# Altium PCB PCB.PcbDoc (continued)
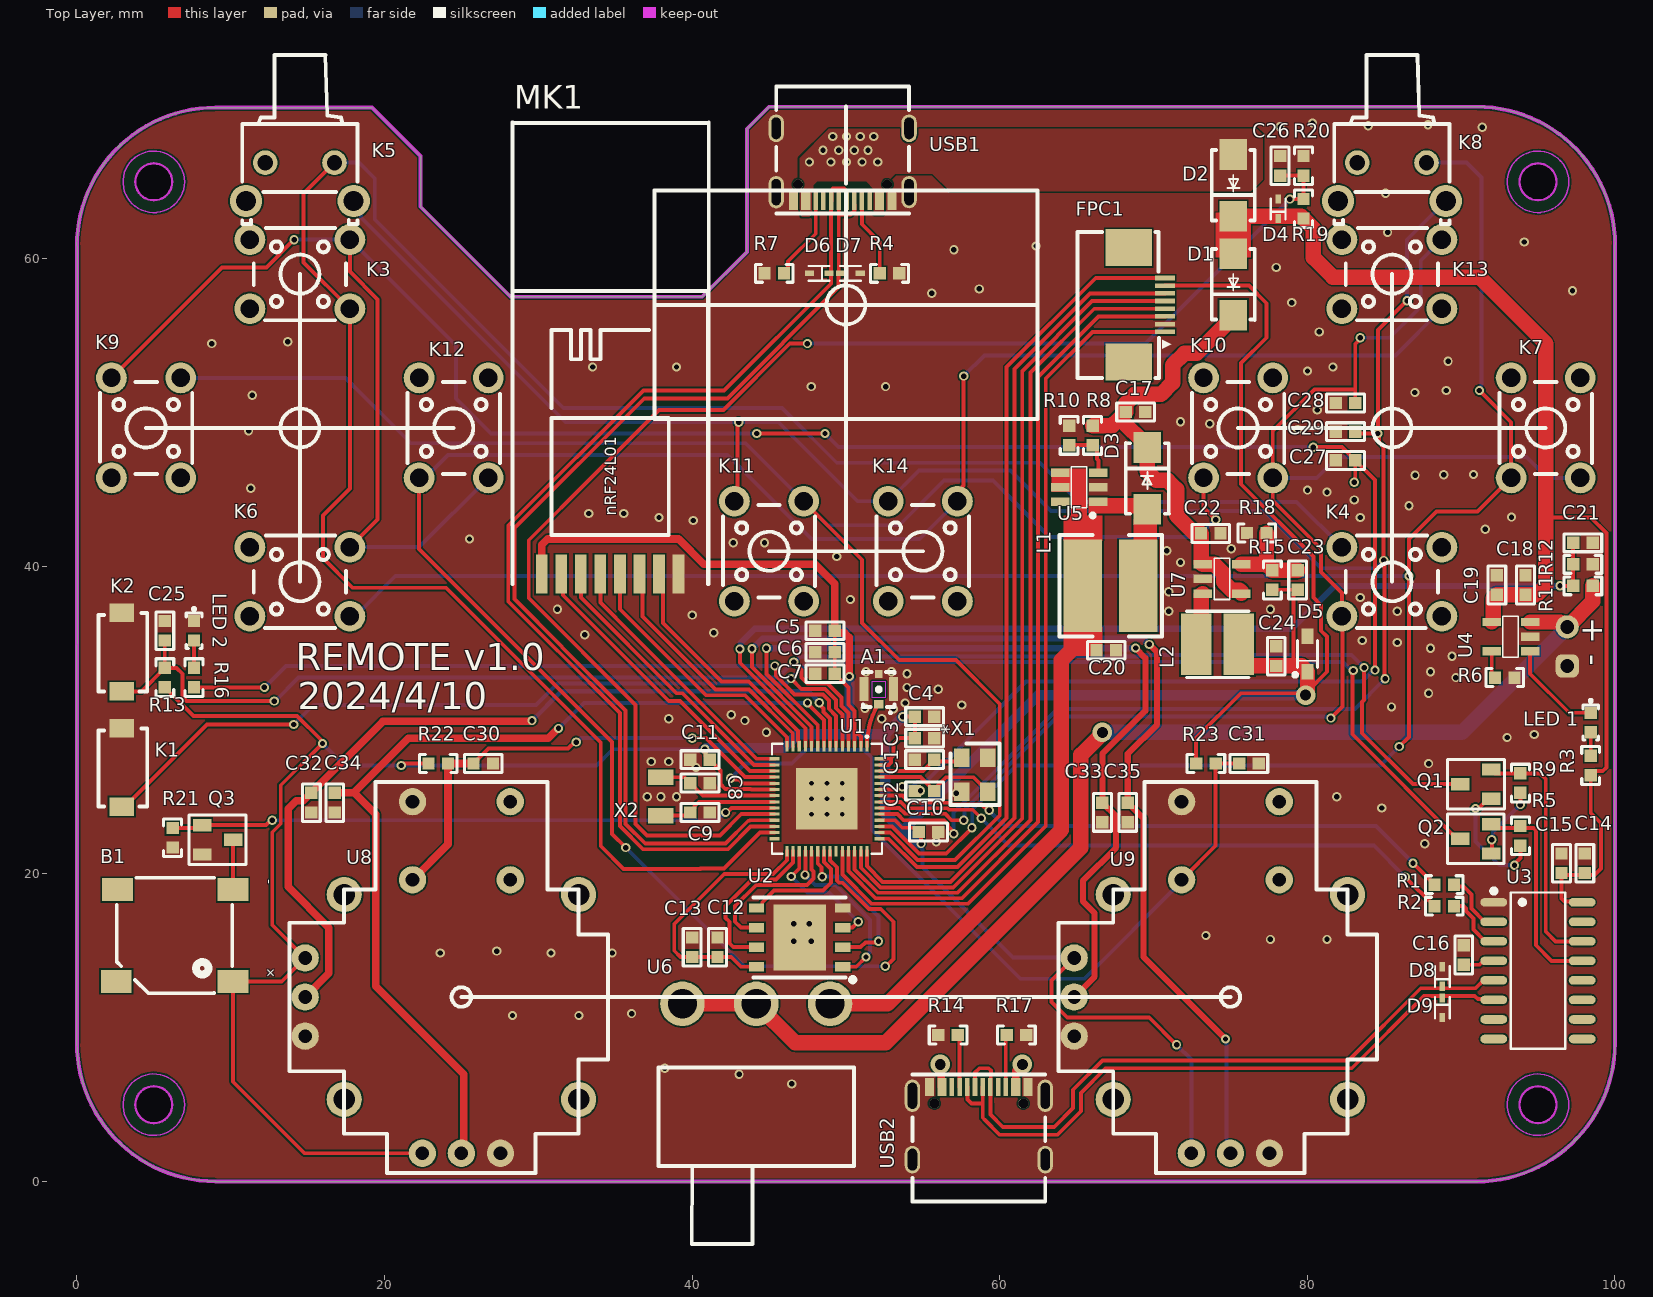
[diagram p0: Top Layer view]
## Part data
A1: "贴片封装的天线 封装类型为IPEX"
B1: "2700Hz", Manufacturer=INGHAi(赢海), Manufacturer Part=GSC7525RA-16R2700, Contributor=LCSC, nameAlias=Value, spicePre=B, spiceSymbolName=GSC7525RA-16R2700, Supplier=LCSC, Supplier Part=C255313
C1 C2 C3 C4 C5 C6 C7 C8 C9 C10 C11 C12 C13 C14 C15 C16 C18 C19 C20 C21 C22 C23 C24 C25 C26 C27 C28 C29 C30 C31 C32 C33 C34 C35: library part "Cap Chip 0603", "0603封装的电容", Published=8-Jun-2000, Publisher="Altium Limited", Revision="July-2002: Re-released for DXP Platform."
C17: library part "Chip capacitor", "贴片电容"
D1 D2: "肖特基二极管"
D3: "大电流肖特基二极管，5A/40V"
D4 D6 D7 D8 D9: "SOD-523 ESD防静电二极管保护芯片", JLCPCB Part Class="Extended Part", Manufacturer=MDD, Manufacturer Part=SMAJ6.5CA, spicePre=D, spiceSymbolName=SMAJ6.5CA-C110041, Supplier=LCSC, Supplier Part=C110041
D5: "SOD-323 3.3V 双向ESD防静电二极管保护芯片", JLCPCB Part Class="Extended Part", Manufacturer=MDD, Manufacturer Part=SMAJ6.5CA, spicePre=D, spiceSymbolName=SMAJ6.5CA-C110041, Supplier=LCSC, Supplier Part=C110041
FPC1: JLCPCB Part Class="Extended Part", Manufacturer=TXGA(特思嘉), Manufacturer Part=FFC05001-08SBB124W5M-H, Contributor=LCSC, spicePre=F, spiceSymbolName=FFC05001-08SBB124W5M-H, Supplier=LCSC, Supplier Part=C456420
K1 K2: "轻触开关按键"
K3 K4 K6 K7 K9 K10 K11 K12 K13 K14: "轻触开关"
K5 K8: "卧式轻触开关"
L1: library part Inductor-6045, "6045封装 线绕SMD功率电感"
L2: library part Inductor-4018, "贴片电感 1206封装"
MK1: "工业级GT-24数传无线模块 2.4G NRF24L01&PA+LNA", JLCPCB Part Class="Extended Part", Manufacturer=Ashining(泽耀科技), Manufacturer Part=AS01-ML01S, spicePre=M, spiceSymbolName=AS01-ML01S, Supplier=LCSC, Supplier Part=C84802
P1: "Header, 2-Pin", LatestRevisionDate=17-Jul-2002, LatestRevisionNote="Re-released for DXP Platform.", Publisher="Altium Limited"
Q1 Q2: Manufacturer=SALLTECH(萨瑞), Contributor=lcsc, Manufacturer Part=S8050, spicePre=Q, spiceSymbolName=S8050_C3027096, Supplier=LCSC, Supplier Part=C3027096
Q3: "N沟道  / 漏源电压(Vdss) 20V  / 连续漏极电流(Id) 2.8A  / 功率(Pd) 900mW  / 导通电阻(RDS(on)@Vgs,Id) 55mΩ@4.5V,2.8A  / 阈值电压(Vgs(th)@Id) 1.2V@250uA  / 输入电容(Ciss@Vds) 260pF@10V", JLCPCB Part Class="Extended Part", Manufacturer=TWGMC(台湾迪嘉), Manufacturer Part=SI2306, Contributor=LCSC, spicePre=Q, spiceSymbolName=SI2306_C727154, Supplier=LCSC, Supplier Part=C727154
R1 R2 R3 R4 R5 R6 R7 R9 R11 R12 R13 R14 R15 R16 R17 R18 R19 R20 R22 R23: library part "Resistor Chip 0603", "0603封装电阻", Published=8-Jun-2000, Publisher="Altium Limited", Revision="July-2002: Re-released for DXP Platform."
R8 R10 R21: library part "Chip resistor", "贴片电阻"
U1: JLCPCB Part Class="Extended Part", Manufacturer=ESPRESSIF(乐鑫), Contributor=LCSC, Manufacturer Part=ESP32-S3, spicePre=U, spiceSymbolName=ESP32-S3, Supplier=LCSC, Supplier Part=C2913192
U2: JLCPCB Part Class="Extended Part", Manufacturer=WINBOND(华邦), Contributor=LCSC, Manufacturer Part=W25Q128JVPIQ, spicePre=U, spiceSymbolName=W25Q128JVPIQ, Supplier=LCSC, Supplier Part=C2803379
U3: JLCPCB Part Class="Extended Part", Manufacturer=WCH(南京沁恒), Manufacturer Part=CH340C, spicePre=U, spiceSymbolName=CH340C, Supplier=LCSC, Supplier Part=C84681
U4: "迷你充电IC SOT-23-5"
U5: "SOT23-6 升压芯片"
U6: library part SW-TH_3P-SS12D06, BOM_JLCPCB Part Class="Extended Part", BOM_Manufacturer=hanxia(韩下), BOM_Manufacturer Part="HX SS12D10G4", BOM_Supplier=LCSC, BOM_Supplier Part=C5149841, Contributor=lcsc, link=https://atta.szlcsc.com/upload/public/pdf/source/20220907/2020D7183ED16DD6E2B9F5A13FB144CF.pdf, spicePre=U, spiceSymbolName="HX SS12D10G4"
U7: "SY8089A1是一种高效率的1.5MHz同步降压DC/DC稳压器，能够提供高达输出电流2A。它可以在2.5V到5.5V的宽输入电压范围内工作，集成了主开关和同步开关，具有极低的RDS(ON)，最大限度地减少了导通损耗。 / 输出电压纹波小，外接电感小，电容器尺寸小 / 1.5MHz开关频率。"
U8 U9: Manufacturer Part=摇杆, Contributor=Alex_Ai, spicePre=U, spiceSymbolName="摇杆_直插_圆半径13_10电气脚_4固定脚 COPY"
USB1 USB2: "16P 封装的TYPE -c接口 4固定插脚 双向"
X1: library part "XTAL 3225", "3225封装的晶振"
X2: library part "XTAL 3215 32.768kKHz", "3215封装的时钟晶振"

## Via types
v1: diameter 0.6, hole 0.35, Top Layer to Bottom Layer, 203 vias
v2: diameter 0.61, hole 0.305, Top Layer to Bottom Layer, 9 vias
v3: diameter 1.27, hole 0.711, Top Layer to Bottom Layer, 4 vias

## Nets (pads, with @x,y where several pads share a name; then routed paths per layer and width w, separated by ;. In a path a pad name is that pad's centre, name@x,y a point inside that pad or via, vN(x,y) a via of type N, cw(c..) or ccw(c..) an arc to the next point about the centre after c; other vN are vias at no path point)
3.3V: B1.1 C3.2 C4.2 C5.2 C6.2 C7.2 C10.2 C11.2 C23.2 C24.2 D5.1 FPC1.7 L2.2 MK1.1 R13.2 R15.1 R22.2 R23.2 U1.2 U1.3 U1.20 U1.46 U1.55 U1.56 U8.5 U8.8 U9.5 U9.8 | length 285.2
  Top Layer w0.254: R13.2 7.569,30.277 14.322,30.277 15.903,28.696 15.903,28.547 v1(15.969,28.481) 13.254,25.766 13.254,23.266 12.7,22.712 12.7,16.68 U8.5 13.322,13.022 B1.1 10.145,6.492 14.797,1.84 U8.8 ; v1@21.303,27.178 R22.2 ; v1(40.831,28.109) 40.875,28.065 40.875,27.705 41.421,27.159 41.846,26.734 41.846,25.845 42.155,25.536 43.806,25.536 43.85,25.492 U1.20 ; C5.2 C6.2 C7.2 50.165,32.131 50.165,31 50.568,30.597 50.568,29.188 ; U1.3 50.568,29.188 ; U1.2 50.968,28.934 50.819,29.083 50.673,29.083 50.568,29.188 ; U1.46 53.18,23.492 53.666,23.006 54.464,23.006 C10.2 54.887,22.583 v1(54.887,21.975) ; U1.55 52.784,27.092 52.933,27.241 52.933,27.451 52.892,27.492 ; U1.56 52.892,27.492 ; v1(53.696,30.223) 53.718,30.223 53.721,30.226 C4.2 C3.2 53.467,28.829 53.086,28.448 53.086,27.686 52.892,27.492 ; U9.5 63.373,13.073 63.373,11.684 64.389,10.668 69.723,10.668 v1(71.501,8.89) ; FPC1.7 76.2,58.25 77.343,57.107 77.343,54.864 75.692,53.213 75.692,45.339 80.391,40.64 80.391,37.973 80.899,37.465 80.899,35.814 81.28,35.433 81.28,33.147 80.01,31.877 80.01,31.75 v3(79.883,31.623) ; R23.2 72.771,28.829 75.692,31.75 v3@79.883,31.75 ; R15.1 C23.2 79.102,38.208 79.102,33.912 78.718,33.528
  Top Layer w0.5: MK1.1@30.226,39.624 30.226,41.402 30.607,41.783 39.116,41.783 40.767,40.132 48.006,40.132 49.276,38.862 C5.2 49.426,35.664 49.916,35.664 50.209,35.371 50.209,32.859 v1(50.228,32.84)
  Top Layer w1: L2.2 75.541,34.028 76.041,33.528 C24.2 78.718,33.528 79.629,33.528 D5.1 v3@80.01,31.877
  Bottom Layer w0.254: v1(15.969,28.481) 17.399,27.051 33.782,27.051 34.84,28.109 v1(40.831,28.109) ; 54.953,21.628 54.991,21.59 54.991,20.442 60.853,14.58 64.8,14.58 U9.5 ; v1(71.501,8.89) 72.46,7.931 U9.8
  Bottom Layer w0.66: v1(40.831,28.109) 40.916,28.194 45.974,28.194 46.863,29.083 50.228,29.083 ; v1(50.228,32.84) 50.228,29.083 ; 53.53,22.924 52.556,23.898 52.556,29.083 ; v1(53.696,30.223) 52.556,29.083 ; v1(54.887,21.975) 54.733,21.975 53.785,22.924 62.484,31.623 v3(79.883,31.623) ; 50.228,29.083 52.556,29.083
  other v1: 21.082,27.051
5V: C17.1 C22.2 D1.1 D3.1 R8.2 U7.1 U7.4 | length 29.3
  Top Layer w1: R8.2 67.31,49.149 67.754,49.593 ; D1.1 75.184,56.225 72.807,53.848 72.009,53.848 71.247,53.086 71.247,51.943 70.485,51.181 68.785,51.181 68.199,50.595 C17.1 67.754,49.593 ; U7.4 75.692,38.357 75.592,38.457 75.081,38.457 74.549,38.989 74.549,39.551 73.968,40.132 U7.1 73.092,40.232 73.092,42.133 C22.2 72.664,42.144 71.501,43.307 71.501,45.007 70.915,45.593 70.182,45.593 69.596,46.179 D3.1 69.596,47.82 67.822,49.593 67.754,49.593
ADC_BAT: C21.2 R11.1 R12.2 U1.11 | length 67
  Top Layer w0.254: v1(43.106,34.631) 43.106,33.734 47.368,29.472 U1.11 ; v1(96.431,38.735) R11.1 R12.2 C21.2
  Bottom Layer w0.4: v1(43.106,34.631) 43.145,34.669 43.145,35.017 44.069,35.941 78.994,35.941 81.788,38.735 v1(96.431,38.735)
ADC_LX: C32.2 U1.7 U8.6 | length 55.1
  Top Layer w0.254: v1(48.269,31.125) 48.269,31.033 48.539,30.763 48.539,30.544 48.968,30.115 U1.7
  Top Layer w0.5: U8.6 16.383,13.543 16.383,16.51 13.733,19.16 13.733,24.232 14.255,24.755 14.722,24.755 19.906,29.939 v1@29.591,29.939
  Bottom Layer w0.3: v1(29.591,29.972) 31.496,31.877 47.568,31.877 48.269,31.176 v1(48.269,31.125)
ADC_LY: C34.2 U1.8 U8.9 | length 62.9
  Top Layer w0.254: v1(47.506,31.123) 47.506,31.074 48.568,30.012 U1.8
  Top Layer w0.5: C34.2 18.001,25.273 ; U8.9 25.146,1.986 25.146,6.985 19.431,12.7 19.431,23.876 18.034,25.273 18.001,25.273 ; v1(31.315,29.464) 31.288,29.464 30.653,28.829 21.557,28.829 18.001,25.273
  Bottom Layer w0.254: v1(31.315,29.464) 32.974,31.123 v1(47.506,31.123)
ADC_RX: C33.2 U1.9 U9.6 | length 58
  Top Layer w0.254: v1(44.831,34.678) 44.831,33.015 48.168,29.678 U1.9
  Top Layer w0.4: U9.6 66.167,13.327 66.167,17.463 65.405,18.225 65.405,19.558 67.564,21.717 67.564,23.749 C33.2 66.675,27.813 69.469,30.607 69.469,34.041 68.834,34.676 v1(68.834,34.692)
  Bottom Layer w0.4: v1(44.831,34.678) 68.82,34.678 v1(68.834,34.692)
ADC_RY: C35.2 U1.10 U9.9 | length 71.1
  Top Layer w0.254: v1(43.896,34.637) 43.896,33.447 47.768,29.575 U1.10
  Top Layer w0.4: v1(69.723,34.925) 70.231,34.417 70.231,29.718 68.326,27.813 C35.2 69.342,23.622 69.342,14.605 v1(74.676,9.271)
  Bottom Layer w0.254: v1(74.676,9.271) 74.742,9.205 74.742,2.098 U9.9
  Bottom Layer w0.4: v1(43.896,34.637) 44.578,35.319 69.275,35.319 69.669,34.925 v1(69.723,34.925)
BAT: C20.2 L1.1 U5.4 U5.5 U6.3 | length 32.3
  Top Layer w1: U6.3 52.705,11.557 64.008,22.86 64.008,33.909 64.635,34.536 64.635,34.663 64.897,34.925 65.024,34.925
BEEP: Q3.1 R21.1 U1.23 | length 39.7
  Top Layer w0.254: R21.1 7.952,22.987 Q3.1 12.286,23.175 12.606,23.495 v1(12.7,23.495) ; v1(42.177,24.003) 42.271,24.003 42.56,24.292 U1.23
  Bottom Layer w0.254: v1(12.7,23.495) 41.669,23.495 v1(42.177,24.003)
CHIP_PU: C25.2 K2.1 Q1.3 R13.1 U1.4 | length 106.3
  Top Layer w0.254: K2.1 4.191,31.877 R13.1 ; C25.2 R13.1 ; v1(12.827,31.242) 7.134,31.242 6.858,31.518 6.858,33.02 6.477,33.401 R13.1 ; v1(46.609,33.782) 47.124,33.267 47.124,32.779 47.511,32.391 48.793,32.391 49.721,31.464 49.721,30.925 50.168,30.477 U1.4 ; v1(83.689,33.419) 83.689,31.298 83.566,31.175 83.566,29.148 86.874,25.84 Q1.3
  Bottom Layer w0.254: v1(12.827,31.242) 12.895,31.242 14.419,32.766 45.593,32.766 46.675,33.848 46.769,33.848 47.058,34.138 69.076,34.138 69.188,34.249 82.859,34.249 v1(83.689,33.419)
DTR: Q2.2 R5.1 U3.13 | length 14
  Top Layer w0.254: Q2.2 92.202,22.987 93.853,22.987 94.72,22.987 94.869,22.838 94.869,15.367 95.885,14.351 U3.13
ESP32_N: D7.1 U1.25 USB1.A7 USB1.B7 | length 67.6
  Top Layer w0.254: U1.25 43.756,23.492 43.722,23.458 43.651,23.458 42.169,21.976 36.952,21.976 35.667,23.261 35.667,30.314 35.672,30.32 35.672,30.623 31.525,34.771 31.525,34.794 28.448,37.871 28.448,42.487 36.888,50.927 42.291,50.927 49.53,58.166 49.53,59.002 49.583,59.055 D7.1@49.585,59.055 ; USB1.A7@49.534,63.488 49.534,62.865 ; D7.1 D7.1@49.585,59.055 ; USB1.B7@50.546,63.5 50.546,63.119 50.292,62.865 49.534,62.865 ; 49.534,62.865 49.532,62.863 49.532,59.108 D7.1@49.585,59.055
ESP32_P: D6.1 U1.26 USB1.A6 USB1.B6 | length 69.3
  Top Layer w0.254: U1.26 43.803,23.092 42.321,21.61 36.8,21.61 35.301,23.109 35.301,30.466 35.306,30.471 31.266,34.512 31.242,34.512 28.048,37.706 28.048,42.653 36.83,51.435 42.081,51.435 49.022,58.376 49.022,59.048 49.015,59.055 D6.1@48.971,59.055 ; D6.1 D6.1@48.971,59.055 ; USB1.A6 50.038,64.409 49.889,64.558 49.171,64.558 49.061,64.448 49.061,63.777 USB1.B6 49.022,63.738 49.022,62.859 49.024,62.857 49.024,59.108 D6.1@48.971,59.055
GND: "LED 2.2" A1.2 A1.3 A1.4 C1.1 C2.1 C3.1 C4.1 C5.1 C6.1 C7.1 C8.1 C9.1 C10.1 C11.1 C12.1 C13.1 C14.1 C15.1 C16.1 C17.2 C18.1 C19.1 C20.1 C21.1 C22.1 C24.1 C25.1 C26.1 C27.1 C28.1 C29.1 C30.1 C31.1 C32.1 C33.1 C34.1 C35.1 D4.2 D5.2 D6.2 D7.2 D8.2 D9.2 FPC1.2 K1.2 K2.2 MK1.8 P1.1 Q3.2 R4.1 R6.2 R7.1 R10.1 R12.1 R14.1 R17.1 R18.2 R20.1 R21.2 U1.57 U2.4 U2.9 U3.1 U4.2 U5.2 U7.2 U8.1 U8.7 U8.10 U9.1 U9.7 U9.10 USB1.1 USB1.2 USB1.3 USB1.4 USB1.A1B12 USB1.B1A12 USB2.1 USB2.2 USB2.3 USB2.4 USB2.A1B12 USB2.B1A12 X1.2 X1.4 | length 0.8
  Top Layer w0.254: C2.1 54.497,25.414 v1(54.851,25.414) ; v1(57.177,25.246) 57.418,25.246 X1.2
  other v1: 46.482,6.35 43.053,6.985 38.227,7.366 28.321,10.795 32.639,10.795 36.068,10.922 23.622,14.859 30.822,14.861 34.798,14.859 27.305,14.986 46.609,15.621 47.752,15.621 77.597,15.748 81.28,15.748 73.406,16.002 46.609,16.764 47.625,16.764 87.63,21.971 55.88,22.098 84.844,24.29 37.084,25.019 37.973,25.019 38.989,25.019 81.915,25.019 40.259,26.924 87.884,27.178 37.338,27.305 38.481,27.305 92.991,28.871 94.749,29.069 44.831,29.21 43.434,29.972 38.481,30.099 52.324,30.099 42.545,30.353 53.086,30.734 51.234,30.78 85.471,30.861 57.531,30.988 53.848,31.115 87.884,31.75 56.007,32.004 53.975,32.131 89.662,32.766 53.975,33.02 51.308,33.147 52.959,33.147 88.011,33.147 89.408,34.163 88.011,34.671 85.852,35.052 83.566,35.179 33.02,35.56 41.402,35.687 40.005,36.83 70.993,37.084 85.852,37.084 31.242,37.211 77.597,37.211 50.292,37.846 83.439,37.973 70.993,38.354 71.755,40.259 49.403,40.64 70.866,41.021 75.057,41.148 42.672,41.529 44.704,41.529 25.527,41.783 91.567,42.418 40.067,42.979 37.846,43.18 83.439,43.18 93.277,43.202 33.274,43.434 35.56,43.434 86.614,43.942 83.058,44.323 81.28,44.831 80.01,44.958 11.303,45.085 87.007,45.924 88.874,45.955 90.805,45.974 11.164,48.813 79.375,48.895 73.66,49.276 71.755,49.403 80.645,50.165 11.398,51.122 86.995,51.308 89.027,51.435 47.752,51.689 52.578,51.689 80.01,52.705 33.528,52.959 38.989,52.959 81.661,52.959 89.154,53.34 8.763,54.483 13.716,54.61 80.772,55.245 78.994,57.15 55.581,57.764 97.245,57.92 58.674,58.039 77.978,59.436 57.023,60.579 62.357,60.833 94.107,61.087 85.217,61.722 85.09,64.262 91.379,68.546 78.232,68.58 83.958,68.655 87.847,68.717 80.333,68.826
  other v2: 47.768,23.892 48.768,23.892 49.768,23.892 47.768,24.891 48.768,24.892 49.768,24.892 47.768,25.892 48.768,25.892 49.768,25.892
GPIO0: K1.1 Q2.3 U1.5 | length 104.8
  Top Layer w0.254: K1.1 3.121,24.384 8.455,29.718 11.483,29.718 v1(14.097,29.718) ; v1(46.431,32.701) 47.096,32.036 48.645,32.036 49.365,31.316 49.365,30.777 49.768,30.374 U1.5 ; v1(82.979,33.228) 82.931,33.18 82.931,29.083 89.728,22.286 Q2.3
  Bottom Layer w0.254: v1(14.097,29.718) 15.367,30.988 29.845,30.988 31.242,32.385 46.109,32.385 46.384,32.66 46.389,32.66 v1(46.431,32.701) 47.512,33.782 82.331,33.782 82.885,33.228 v1(82.979,33.228)
GT_24_CE: MK1.2 U1.17 | length 20
  Top Layer w0.254: MK1.2@31.369,39.37 MK1.2@31.474,39.265 ; MK1.2@31.474,39.37 MK1.2@31.474,39.519 ; MK1.2@31.601,39.37 31.601,39.265 31.601,38.122 38.481,31.242 39.223,31.242 43.773,26.692 U1.17
GT_24_CSN: MK1.3 U1.16 | length 18.8
  Top Layer w0.254: MK1.3@32.766,39.624 32.766,37.973 38.989,31.75 39.37,31.75 44.028,27.092 U1.16
GT_24_IRQ: MK1.7 U1.12 | length 16.1
  Top Layer w0.254: MK1.7@37.846,39.624 38.1,39.37 38.1,36.322 41.91,32.512 43.683,32.512 46.897,29.298 46.897,28.662 46.941,28.618 46.941,28.326 U1.12
GT_24_MISO: MK1.6 U1.13 | length 16.7
  Top Layer w0.254: MK1.6@36.449,39.497 36.655,39.291 MK1.6@36.655,39.545 ; MK1.6@36.782,39.164 36.782,36.751 41.529,32.004 43.688,32.004 46.541,29.151 46.541,28.326 U1.13
GT_24_MOSI: MK1.5 U1.14 | length 17.3
  Top Layer w0.254: MK1.5@35.306,39.624 35.306,37.211 40.894,31.623 43.434,31.623 46.168,28.889 U1.14
GT_24_SCK: MK1.4 U1.15 | length 17.5
  Top Layer w0.254: MK1.4@34.036,39.624 34.036,37.65 36.068,35.618 44.194,27.492 U1.15
KET_y: K12.1 K13.1 K14.1 U1.36 | length 139.8
  Top Layer w0.254: K12.1 22.25,41.123 34.798,28.575 34.798,22.606 v1(35.687,21.717) ; U1.36 48.968,20.882 49.412,20.438 49.412,19.58 49.561,19.431 49.789,19.431 51.51,17.71 52.267,17.71 53.086,16.891 53.086,14.478 v1@52.578,13.97 ; K14.1 57.584,44.567 57.584,45.181 57.658,45.255 v1(57.658,52.37)
  Bottom Layer w0.254: K12.1 22.636,45.75 24.13,47.244 42.291,47.244 47.752,41.783 54.8,41.783 K14.1 ; v1(35.687,21.717) 43.405,13.999 48.231,13.999 v1(52.562,13.999) ; v1(57.658,52.37) 59.009,53.721 85.721,53.721 K13.1
KEY_1: C30.2 R22.1 U1.18 U8.3 | length 31.5
  Top Layer w0.254: C30.2 26.75,28.147 31.944,28.147 32.372,28.575 v1(32.465,28.575) ; v1(40.005,28.829) 40.894,28.829 43.431,26.292 U1.18
  Top Layer w0.5: U8.3 24.13,21.925 R22.1 C30.2
  Bottom Layer w0.254: v1(32.465,28.575) 32.533,28.575 32.787,28.829 v1(40.005,28.829)
kEY_2: C31.2 R23.1 U1.19 U9.3 | length 54.7
  Top Layer w0.254: v1(42.494,26.219) 42.56,26.153 43.041,26.153 43.302,25.892 U1.19 ; U9.3 74.041,21.836 R23.1 C31.2
  Bottom Layer w0.254: v1(42.494,26.219) 43.451,27.176 46.48,27.176 47.371,28.067 51.181,28.067 51.689,27.559 51.689,22.86 61.363,13.186 65.51,13.186 71.825,19.501 U9.3
KEY_3: C26.2 R19.1 R20.2 U1.24 | length 93.9
  Top Layer w0.254: U1.24 43.196,23.892 41.808,22.504 37.059,22.504 36.322,23.241 36.322,30.988 29.376,37.934 29.376,41.7 33.524,45.848 33.529,45.848 37.846,50.165 42.032,50.165 46.35,54.483 v1(47.498,54.483) ; C26.2 R20.2 R19.1 v1(78.867,63.881)
  Bottom Layer w0.254: v1(47.498,54.483) 69.469,54.483 v1(78.867,63.881)
KEY_a: K3.1 K4.1 K5.1 U1.27 | length 148.6
  Top Layer w0.254: K5.1 14.732,64.232 14.732,59.768 K3.1 17.75,50.389 17.75,45.055 16.002,43.307 16.002,40.535 17.929,38.608 24.003,38.608 34.061,28.55 34.061,21.819 35.545,20.335 40.543,20.335 40.554,20.345 42.062,20.345 44.409,22.692 U1.27
  Bottom Layer w0.254: K5.1 18.332,66.25 19.367,65.215 19.367,62.547 31.623,50.292 45.847,50.292 49.403,46.736 62.606,46.736 65.146,44.196 79.304,44.196 K4.1
KEY_b: K6.1 K7.1 K8.1 U1.45 | length 154.5
  Top Layer w0.254: U1.45 52.986,23.092 54.742,21.336 56.526,21.336 v1(58.191,23.001) ; v1(85.979,28.283) 86.614,28.918 v1(86.614,39.37) 86.614,41.783 88.392,43.561 91.061,43.561 K7.1 93.25,49.371 v1(91.186,51.435)
  Bottom Layer w0.254: K6.1 18.081,36.75 20.701,39.37 v1(86.614,39.37) ; v1(58.191,23.001) 58.212,23.022 58.212,24.186 61.077,27.051 84.747,27.051 v1(85.979,28.283) ; K8.1 90.341,66.25 91.313,65.278 91.313,51.757 91.252,51.696 91.252,51.501 v1(91.186,51.435)
KEY_DOWN_1: C27.2 K3.3 K6.3 K9.3 K12.3 U1.51 | length 176
  Top Layer w0.254: K9.3 9.436,59.436 12.319,59.436 v1(14.124,61.241) ; K6.3 19.558,43.058 19.558,57.361 17.75,59.169 K3.3 ; v1(44.196,48.641) v1(48.641,48.641) ; U1.51 53.383,25.492 53.562,25.672 v1(53.656,25.672) ; v1(80.391,47.752) 82.251,47.752 C27.2 ; v1(83.058,45.466) 83.113,45.521 C27.2 ; v1(84.398,33.258) 84.398,45.605 C27.2
  Bottom Layer w0.254: v1(14.124,61.241) 14.129,61.246 17.745,61.246 K3.3 24.638,54.362 24.638,50.927 26.924,48.641 v1(44.196,48.641) ; K6.3 22.25,41.25 K12.3 ; v1(48.641,48.641) 49.53,47.752 v1(80.391,47.752) ; v1(53.656,25.672) 53.68,25.696 54.337,25.696 54.61,25.968 55.173,25.968 61.717,32.512 83.566,32.512 84.312,33.258 v1(84.398,33.258)
KEY_DOWN_2: C28.2 K4.3 K7.3 K10.3 K13.3 U1.48 | length 95.4
  Top Layer w0.254: U1.48 53.462,24.292 53.835,23.919 56.453,23.919 56.876,23.495 v1(57.658,23.495) ; v1(81.534,30.137) 82.296,30.899 82.296,36.704 K4.3 82.25,38.272 80.899,39.623 80.899,41.143 77.75,44.292 K10.3 77.75,48.794 80.463,51.507 83.113,51.507 ; C28.2 83.113,51.507 ; v1(83.439,54.864) 83.439,54.77 83.113,54.445 83.113,51.507
  Bottom Layer w0.254: v1(57.658,23.495) 57.699,23.536 57.699,24.176 63.749,30.226 81.212,30.226 81.235,30.203 81.468,30.203 v1(81.534,30.137) ; K10.3 80.615,45.75 81.982,47.117 94.257,47.117 95.624,45.75 K7.3 ; v1(83.439,54.864) 85.344,54.864 86.995,56.515 87.376,56.896 87.376,59.876 K13.3
KEY_DOWN_3: C29.2 K5.3 K8.3 K11.3 K14.3 U1.47 | length 157.5
  Top Layer w0.254: K11.3 42.962,44.445 42.962,49.305 v1(43.028,49.371) ; U1.47 53.359,23.892 53.756,23.495 56.368,23.495 56.636,23.228 56.636,23.087 57.018,22.705 v1(57.018,22.611) ; C29.2 83.231,48.641 v1(84.582,48.641) ; v1(85.054,32.69) 85.008,32.736 85.008,40.341 v1(84.963,40.386) 84.963,47.773 84.648,48.088 84.648,48.575 v1(84.582,48.641) ; v1(86.487,57.277) 84.582,55.372 v1(84.582,48.641)
  Bottom Layer w0.254: K5.3 18,63.25 18.459,62.791 18.459,62.694 31.782,49.371 v1(43.028,49.371) 45.625,49.371 50.763,44.233 K14.3 54.745,46.228 60.706,46.228 63.338,43.596 77.181,43.596 80.899,39.878 84.455,39.878 v1(84.963,40.386) ; v1(57.018,22.611) 57.001,22.628 57.001,23.981 63.754,30.734 83.098,30.734 v1(85.054,32.69) ; v1(86.487,57.277) 86.487,61.237 K8.3
KEY_left: K9.1 K10.1 K11.1 U1.44 | length 115.1
  Top Layer w0.254: K11.1 51.054,40.429 51.054,36.322 53.467,33.909 57.15,33.909 60.005,31.054 60.005,23.81 57.105,20.91 54.665,20.91 52.883,22.692 U1.44 ; K10.1 73.25,43.834 v1(74.041,43.042)
  Bottom Layer w0.254: K9.1 17.473,52.25 21.717,48.006 43.477,48.006 K11.1 48.811,42.672 53.467,42.672 56.388,45.593 59.563,45.593 63.246,41.91 72.909,41.91 v1(74.041,43.042)
LCD_CS: FPC1.8 U1.43 | length 52.4
  Top Layer w0.254: U1.43 52.78,22.292 54.625,20.447 57.266,20.447 60.452,23.633 60.452,52.959 66.243,58.75 FPC1.8
LCD_LEDA: FPC1.1 U1.38 | length 55.7
  Top Layer w0.254: U1.38 49.768,19.955 51.657,18.066 57.944,18.066 62.992,23.114 62.992,52.202 66.035,55.245 70.734,55.245 FPC1.1
LCD_REST: FPC1.3 U1.39 | length 55.2
  Top Layer w0.254: U1.39 50.168,20.19 51.937,18.421 57.537,18.421 62.484,23.368 62.484,52.324 66.41,56.25 FPC1.3
LCD_RS: FPC1.4 U1.40 | length 54.8
  Top Layer w0.254: U1.40 50.568,20.293 52.084,18.777 57.263,18.777 62.001,23.515 62.001,52.603 66.148,56.75 FPC1.4
LCD_SCL: FPC1.6 U1.42 | length 53.7
  Top Layer w0.254: U1.42 51.368,20.509 52.389,19.488 56.81,19.488 60.96,23.638 60.96,52.832 65.878,57.75 FPC1.6
LCD_SDA: FPC1.5 U1.41 | length 54.2
  Top Layer w0.254: U1.41 50.968,20.406 52.242,19.132 56.978,19.132 61.468,23.622 61.468,52.705 66.013,57.25 FPC1.5
LED0: R16.1 U1.6 | length 46.3
  Top Layer w0.254: R16.1 v1(12.192,32.131) ; v1(45.385,33.528) 45.451,33.462 45.451,32.898 46.243,32.106 46.669,31.68 48.498,31.68 48.895,31.283 48.895,30.744 49.368,30.271 U1.6
  Bottom Layer w0.254: v1(12.192,32.131) 13.589,33.528 v1(45.385,33.528)
NetA1_1: A1.1 U1.1 | length 2.9
  Top Layer w0.254: U1.1 cw(c57.017,28.299) A1.1@52.086,31.055
NetB1_2: B1.2 Q3.3 | length 3.2
  Top Layer w0.254: B1.2 10.145,22.21 Q3.3
NetC16_2: C16.2 U3.4 | length 2.1
  Top Layer w0.254: C16.2 91.194,14.097 91.448,14.351 U3.4
NetC23_1: C23.1 R15.2 R18.1 U7.5 | length 5.9
  Top Layer w1: U7.5 R15.2@77.343,40.132 ; R18.1 R15.2@77.343,40.132 ; C23.1 R15.2 R15.2@77.343,40.132
NetD2_2: D2.2 USB1.A4B9 USB1.B4A9 USB2.A4B9 USB2.B4A9 | length 2.9
  Top Layer w0.5: v3@56.007,7.366 56.193,7.18 56.193,6.205 USB2.A4B9 ; USB2.B4A9 61.043,7.195 v3(61.468,7.62)
  other v1: 47.625,66.294 49.022,66.294 50.038,66.294 51.054,66.294 52.07,66.294 48.514,67.056 49.53,67.056 50.546,67.056 51.435,67.056 49.149,67.945 50.038,67.945 50.927,67.945 51.816,67.945
  other v3: 56.134,7.62
NetD3_2: D3.2 L1.2 U5.1
NetL2_1: L2.1 U7.3 | length 3.5
  Top Layer w1: L2.1 73.092,35.246 73.092,38.132 U7.3
"NetLED 1_1": "LED 1.1" R3.2 | length 1.5
  Top Layer w0.254: R3.2 98.425,29.21
"NetLED 1_2": "LED 1.2" U4.1 | length 6.5
  Top Layer w0.254: U4.1 94.488,33.02 97.028,30.48 98.425,30.48
"NetLED 2_1": "LED 2.1" R16.2 | length 1.8
  Top Layer w0.254: R16.2 7.62,35.179
NetP1_2: P1.2 R11.2 U4.3 U6.1 U6.2 | length 79.3
  Top Layer w1: U6.1 U6.2 46.71,9.017 52.578,9.017 65.278,21.717 65.278,27.74 66.675,29.137 v3(66.675,29.21) ; U4.3 96.451,36.383 96.766,36.068 P1.2 98.552,37.719 R11.2
  Bottom Layer w1: v3(66.675,29.21) 90.043,29.21 P1.2
NetQ1_1: Q1.1 R5.2 | length 8
  Top Layer w0.254: v1(90.932,24.257) 91.138,24.257 91.772,24.89 Q1.1 ; v1(93.472,20.574) 93.472,20.668 93.853,21.049 R5.2
  Bottom Layer w0.254: v1(90.932,24.257) 90.932,22.12 91.926,21.126 92.478,20.574 v1(93.472,20.574)
NetQ2_1: Q2.1 R9.2 | length 4.7
  Top Layer w0.254: Q2.1 91.994,21.382 v1(91.994,22.225) ; v1(93.853,24.511) R9.2
  Bottom Layer w0.254: v1(91.994,22.225) 92.06,22.291 92.06,22.718 v1(93.853,24.511)
NetR1_1: R1.1 U3.2 | length 4.1
  Top Layer w0.254: R1.1 89.662,19.177 90.17,19.177 90.678,18.669 90.678,17.744 91.531,16.891 U3.2
NetR2_1: R2.1 U3.3 | length 4.1
  Top Layer w0.254: R2.1 90.17,17.907 90.322,17.755 90.322,17.597 90.805,17.114 90.805,16.383 91.567,15.621 U3.3
NetR4_2: R4.2 USB1.A5 | length 5.2
  Top Layer w0.254: USB1.A5 51.038,62.246 52.197,61.087 R4.2
NetR6_1: R6.1 U4.5 | length 1.8
  Top Layer w0.254: U4.5 91.988,32.98 R6.1
NetR7_2: R7.2 USB1.B5 | length 5.6
  Top Layer w0.254: R7.2 46.247,59.328 46.247,59.836 48.038,61.627 USB1.B5
NetR8_1: R8.1 R10.2 U5.3 | length 3.5
  Top Layer w0.254: R10.2 R8.1 66.313,47.606 66.313,46.981 66.421,46.873 U5.3
NetR14_2: R14.2 USB2.A5 | length 3.4
  Top Layer w0.254: R14.2 57.393,9.409 USB2.A5
NetR17_2: R17.2 USB2.B5 | length 3.4
  Top Layer w0.254: USB2.B5 60.393,9.466 R17.2
RTS: Q1.2 R9.1 U3.14 | length 16.3
  Top Layer w0.254: Q1.2 92.224,26.543 R9.1 95.123,26.543 95.504,26.162 95.504,16.256 96.139,15.621 U3.14
SPICLK: U1.33 U2.6 | length 10.1
  Top Layer w0.254: U2.6@44.063,16.51 43.18,16.51 42.799,16.891 42.799,17.907 44.171,19.279 47.473,19.279 47.893,19.699 47.893,20.17 47.768,20.295 U1.33
SPICS0: U1.32 U2.1 | length 11.4
  Top Layer w0.254: v1(47.339,19.94) 47.368,19.969 U1.32 ; U2.1@49.663,13.97 50.673,13.97 v1(51.308,14.605)
  Bottom Layer w0.254: v1(47.339,19.94) 48.008,19.272 49.308,19.272 51.562,17.018 51.562,14.927 51.308,14.673 v1(51.308,14.605)
SPICS1: U1.28
SPID: U1.35 U2.5 | length 7.9
  Top Layer w0.254: U2.5 44.39,17.78 44.563,17.953 44.563,18.153 45.333,18.923 48.514,18.923 49.022,19.431 49.022,20.32 48.568,20.774 U1.35
SPIHD: U1.30 U2.7 | length 10.6
  Top Layer w0.254: U2.7@44.063,15.24 42.672,15.24 42.418,15.494 42.418,16.891 42.164,17.145 42.164,17.907 43.891,19.634 45.466,19.634 46.568,20.736 U1.30
SPIQ: U1.34 U2.2 | length 10.7
  Top Layer w0.254: U1.34 48.168,20.671 48.402,20.437 48.402,19.892 v1(48.468,19.826) ; U2.2@49.663,15.24 50.96,15.24 51.275,15.555 52.05,15.555 v1(52.116,15.621)
  Bottom Layer w0.254: v1(48.468,19.826) 49.516,19.826 52.116,17.226 v1(52.116,15.621)
SPIWP: U1.31 U2.3 | length 8.7
  Top Layer w0.254: v1(46.448,19.833) 46.968,20.353 U1.31 ; U2.3@49.663,16.51 50.419,16.51 v1(50.8,16.891)
  Bottom Layer w0.254: v1(46.448,19.833) 47.484,18.796 48.895,18.796 v1(50.8,16.891)
U0RXD: R1.2 U1.50 | length 38.5
  Top Layer w0.254: U1.50 53.668,25.092 54.13,24.63 56.747,24.63 56.847,24.53 58.827,24.53 59.221,24.136 v1(59.315,24.136) ; v1(86.868,20.701) R1.2
  Bottom Layer w0.254: v1(59.315,24.136) 60.337,23.114 84.455,23.114 v1(86.868,20.701)
U0TXD: R2.2 U1.49 | length 38.9
  Top Layer w0.254: U1.49 53.565,24.692 53.982,24.274 56.6,24.274 56.699,24.175 58.248,24.175 v1(58.801,23.622) ; v1(86.36,19.812) R2.2
  Bottom Layer w0.254: v1(58.801,23.622) 60.579,21.844 84.328,21.844 v1(86.36,19.812)
"USB 5V": C14.2 C15.2 C18.2 C19.2 D1.2 D2.1 D4.1 R3.1 R19.2 U3.16 U4.4 | length 79.1
  Top Layer w0.254: 95.504,43.053 95.631,43.18 98.425,43.18 99.441,42.164 99.441,26.924 99.206,26.689 98.698,26.689 R3.1 98.425,23.969 99.094,23.3 99.094,20.354 98.679,19.939 96.647,19.939 C15.2 96.52,18.415 96.715,18.22 97.81,18.22 U3.16
  Top Layer w1: D2.1 78.105,62.77 79.597,62.77 R19.2 80.391,61.976 80.391,60.071 81.661,58.801 91.186,58.801 95.504,54.483 95.504,43.053 95.504,38.741 94.918,38.155 C18.2 C19.2 92.088,37.924 92.088,36.483 U4.4
USB_N: D9.1 U3.6 USB2.A7 USB2.B7 | length 42.3
  Top Layer w0.254: USB2.B7 57.916,6.132 57.916,5.33 58.166,5.08 58.893,5.08 58.895,5.082 58.895,5.707 58.893,5.709 USB2.A7 ; 58.897,5.08 58.897,4.15 59.038,4.009 59.038,3.998 59.988,3.048 63.754,3.048 65.278,4.572 65.278,5.759 66.885,7.366 82.887,7.366 87.586,12.065 88.72,12.065 D9.1@88.773,12.012 ; D9.1 D9.1@88.773,12.012 ; U3.6 92.065,11.87 91.089,11.87 90.88,12.079 88.826,12.079 88.773,12.026 D9.1@88.773,12.012
USB_P: D8.1 U3.5 USB2.A6 USB2.B6 | length 42.8
  Top Layer w0.254: USB2.A6 58.393,7.085 58.674,7.366 59.287,7.366 59.436,7.217 59.436,6.963 59.416,6.943 59.416,6.178 USB2.B6 59.395,6.153 59.395,5.082 59.397,5.08 59.397,4.357 60.198,3.556 63.544,3.556 64.77,4.782 64.77,5.969 66.675,7.874 82.677,7.874 87.376,12.573 88.72,12.573 88.773,12.626 D8.1 ; D8.1@88.807,12.673 88.907,12.573 90.94,12.573 91.448,13.081 U3.5
VDD_SPI: C12.2 C13.2 U1.29 U2.8 | length 17
  Top Layer w0.254: U2.8@44.063,13.97 43.18,13.97 42.545,14.605 C12.2 C13.2 39.243,14.605 38.84,15.008 38.84,16.742 42.088,19.99 45.263,19.99 46.168,20.895 U1.29
XH32_N: C9.2 U1.22 X2.2 | length 7.8
  Top Layer w0.254: X2.2 39.537,23.789 39.878,24.13 40.005,24.13 40.151,24.276 40.151,24.403 40.44,24.692 43.203,24.692 U1.22
XH32_P: C8.2 U1.21 X2.1 | length 7.9
  Top Layer w0.254: X2.1 39.497,26.289 C8.2 40.694,25.092 43.306,25.092 U1.21
XH_N: C2.2 U1.53 X1.3 | length 8.1
  Top Layer w0.254: U1.53 54.861,26.292 C2.2 ; C2.2@55.753,25.527 56.515,26.289 58.301,26.289 X1.3
XH_P: C1.2 U1.54 X1.1 | length 5.8
  Top Layer w0.254: U1.54 55.013,26.692 C1.2 ; C1.2@55.753,27.305 57.277,27.305 X1.1
pads on no net: B1.3 FPC1.9 FPC1.10 K3.2 K3.4 K4.2 K4.4 K5.2 K5.4 K6.2 K6.4 K7.2 K7.4 K8.2 K8.4 K9.2 K9.4 K10.2 K10.4 K11.2 K11.4 K12.2 K12.4 K13.2 K13.4 K14.2 K14.4 U1.37 U1.52 U3.7 U3.8 U3.9 U3.10 U3.11 U3.12 U3.15 U5.6 U8.2 U8.4 U8.MOUNT1 U8.MOUNT2 U8.MOUNT3 U8.MOUNT4 U9.2 U9.4 U9.MOUNT1 U9.MOUNT2 U9.MOUNT3 U9.MOUNT4 USB1. USB1.A8 USB1.B8 USB2. USB2.A8 USB2.B8

## Polygon pours and split planes (outlines as drawn)
GND on Bottom Layer "GND_L02_P006" (solid, remove dead copper, pour order 6): 0,9.017 ccw(c9,9.017) 9,0.017 9,0 91.059,0 91,0 ccw(c91,9) 100,9 100,60.895 100.011,60.884 ccw(c91.011,60.884) 91.011,69.884 44.992,69.884 43.561,68.453 43.561,60.452 40.64,57.531 28.194,57.531 22.342,63.383 22.342,66.675 19.184,69.833 9,69.833 ccw(c9,60.833) 0,60.833 0.02,60.833
NetD2_2 on Bottom Layer "NONET_L-01_P-001" (solid, pour order 4): 19.184,68.961 21.597,66.548 21.971,66.548 21.971,63.246 27.94,57.277 40.513,57.277 43.688,60.452 43.688,68.58 44.958,69.85 53.975,69.85 53.975,66.548 52.705,65.278 47.625,65.278 46.355,64.008 46.355,59.055 41.402,54.102 28.321,54.102 19.812,62.611 19.812,65.92 18.803,66.929 18.415,66.929
NetD2_2 on Bottom Layer "NONET_L-01_P-001" (solid, pour order 2): 19.184,68.961 10.287,68.961 1.016,59.69 1.016,10.795 11.176,0.635 52.705,0.635 52.705,1.397 54.864,3.556 13.208,3.556 4.699,12.065 4.699,58.293 12.954,66.548 19.184,66.548
NetD2_2 on Bottom Layer "NONET_L-01_P-001" (solid, pour order 3): 46.101,3.429 50.673,8.001 61.849,8.001 63.5,6.35 63.5,2.794 61.214,0.508 51.816,0.508
GND on Top Layer "GND_L01_P005" (solid, remove dead copper, pour order 5): 0,9.017 ccw(c9,9.017) 9,0.017 9,0 91.059,0 91,0 ccw(c91,9) 100,9 100,60.895 100.011,60.884 ccw(c91.011,60.884) 91.011,69.884 44.992,69.884 43.561,68.453 43.561,60.452 40.64,57.531 28.194,57.531 22.342,63.383 22.342,66.675 19.184,69.833 9,69.833 ccw(c9,60.833) 0,60.833 0.02,60.833
NetD2_2 on Top Layer "NONET_L-01_P-001" (solid, pour order 0): 46.99,63.246 46.99,66.548 48.895,68.453 73.66,68.453 76.708,68.453 77.089,68.072 77.089,65.151 76.327,64.389 56.769,64.389 55.626,65.532 53.213,65.532 52.451,64.77 52.451,62.865 51.816,62.865 51.816,64.516 51.308,65.024 48.133,65.024 47.879,64.77 47.879,62.992 47.625,62.738 47.117,62.738

## Keep-outs
Top Layer:
  rectangle: 51.689,31.496 52.578,32.512
Keep-Out Layer:
  circle w0.1: c95,65 r2
  circle w0.1: c95,5 r2
  circle w0.1: c5,5 r2
  circle w0.1: c5,65 r2
  circle w0.15: c95,65 r1.2
  circle w0.15: c95,5 r1.2
  circle w0.15: c5,5 r1.2
  circle w0.15: c5,65 r1.2
  lines w0.254: 0,9.017 ccw(c9,9.017) 9,0.017 ; 0,60.833 cw(c9,60.833) 9,69.833 19.184,69.833 22.342,66.675 22.342,63.383 28.194,57.531 40.64,57.531 43.561,60.452 43.561,68.453 44.992,69.884 91.011,69.884 cw(c91.011,60.884) 100.011,60.884 ; 0.02,9.017 0.02,60.833 ; 9,0 91.059,0 ; 91,0 ccw(c91,9) 100,9 100,60.895

## Other copper
Top Layer:
  rectangle net NetD3_2: 68.707,41.656 70.231,43.053
  rectangle net BAT: 64.135,34.163 66.675,36.068
  rectangle net NetD3_2: 65.786,43.434 69.977,44.45
  rectangle net BAT: 64.135,41.656 66.675,43.307
  rectangle net BAT: 64.643,41.148 65.659,45.212
  rectangle net BAT: 63.373,44.831 65.659,46.355
  rectangle net "USB 5V": 74.041,60.071 76.327,62.992

## Silkscreen, mask and mechanical layers (free items; w line width, h text height)
Top Overlay:
  circle w0.254: c50,57 r1.27
  circle w0.254: c85.5,49 r1.27
  circle w0.254: c14.5,49 r1.27
  lines w0.254: 4.5,49 24.5,49 ; 14.5,39 14.5,59 ; 25,12 75,12 ; 37.545,57 62.455,57 ; 45,40.983 55,40.983 ; 50,40.983 50,49.483 ; 50,49.57 50,64.43 ; 50,64.897 50,69.897 ; 75.5,49 95.5,49 ; 85.5,39 85.5,59 ; 37.545,49.57 62.455,49.57 62.455,64.43 37.545,64.43 37.545,49.57
  text "+ -" at 97.917,36.703 h1.52 r270
  text "REMOTE v1.0" at 14.224,32.674 h3
  text "2024/4/10" at 14.351,30.134 h3
Bottom Overlay:
  text "+ -" at 90.551,36.83 h1.52 r270
Top Solder:
  circle w1: c95,65 r1.5
  circle w1: c95,5 r1.5
  circle w1: c5,5 r1.5
  circle w1: c5,65 r1.5
Bottom Solder:
  circle w1: c5,65 r1.5
  circle w1: c95,65 r1.5
  circle w1: c95,5 r1.5
  circle w1: c5,5 r1.5

## Text inside footprints (layer, text, board x,y; h text height)
B1: Top Overlay "-" at 11.978,19.654 h1.14 r270; Top Overlay "+" at 12.703,12.934 h1.14 r45
MK1: Top Overlay "nRF24L01" at 35.052,43.307 h0.76 r90
U8: Mechanical 15 "AI" at 30.312,-1.696 h1.2 r73
U9: Mechanical 15 "AI" at 80.312,-1.696 h1.2 r73
X1: Top Overlay "*" at 55.548,29.718 h1.52 r270